# Allegro board STANDARD.brd (continued)
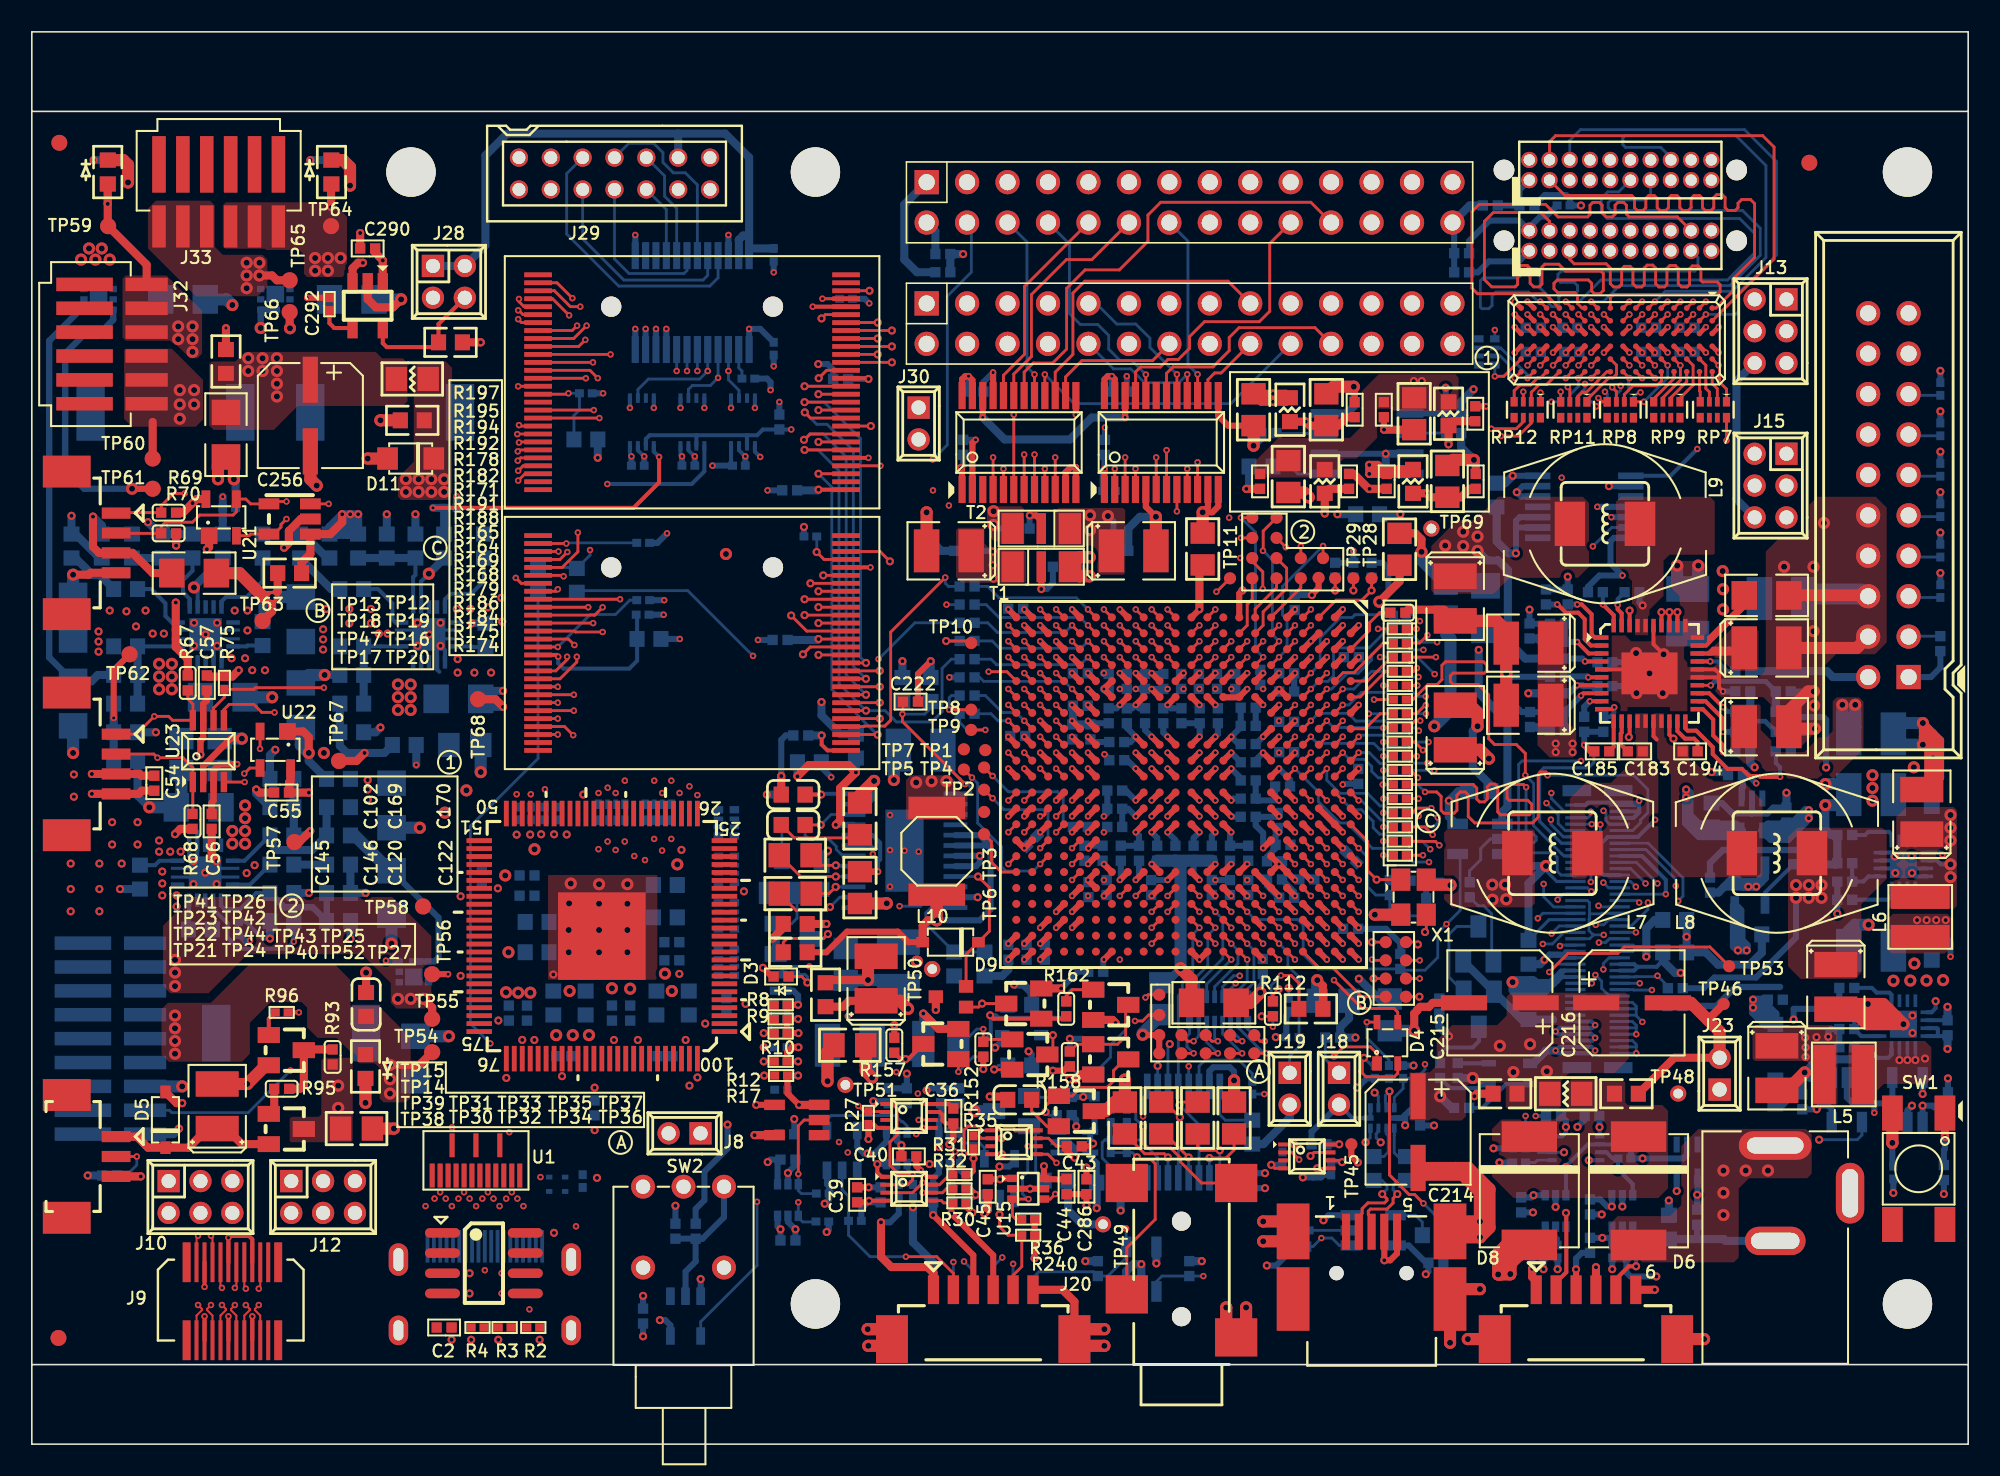
[diagram p0: board, top side]
## Footprints (pads in the part's own frame, mm; a bottom-side part is the same pattern mirrored in y, then rotated) (continued)
CAP-FK-V-CASEE_PAN
  rect 0.95x2.9 smd: 1(0,-2.25) 2(0,2.25)
CAP_0201
  rect 0.559x0.508 smd: 1(-0.401,0) 2(0.401,0)
CAP_0402
  rect 0.65x0.65 smd: 1(-0.47,0) 2(0.47,0)
CAP_0603
  rect 0.95x1 smd: 1(-0.75,0) 2(0.75,0)
CAP_0805
  rect 1.346x1.524 smd: 1(-1,0) 2(1,0)
CAP_1206
  rect 1.6x1.8 smd: 1(-1.4,0) 2(1.4,0)
CAP_1210
  rect 1.6x2.7 smd: 1(-1.4,0) 2(1.4,0)
CON_10X2
  rect 1.524x1.524 hole 1.016: 1(-2.54,0)
  round 1.524 hole 1.016: 2(0,0) 3(-2.54,-2.54) 4(0,-2.54) 5(-2.54,-5.08) 6(0,-5.08) 7(-2.54,-7.62) 8(0,-7.62) 9(-2.54,-10.16) 10(0,-10.16) 11(-2.54,-12.7) 12(0,-12.7) 13(-2.54,-15.24) 14(0,-15.24) 15(-2.54,-17.78) 16(0,-17.78) 17(-2.54,-20.32) 18(0,-20.32) 19(-2.54,-22.86) 20(0,-22.86)
CONN_2X10
  rect 0.5x2.5 smd: (-9.375,3.9) (-9.375,-1) (-3.625,3.9) (-3.625,-1)
  rect 0.25x2.5 smd: 1(-8.75,-1) 2(-8.75,3.9) 3(-8.25,-1) 4(-8.25,3.9) 5(-7.75,-1) 6(-7.75,3.9) 7(-7.25,-1) 8(-7.25,3.9) 9(-6.75,-1) 10(-6.75,3.9) 11(-6.25,-1) 12(-6.25,3.9) 13(-5.75,-1) 14(-5.75,3.9) 15(-5.25,-1) 16(-5.25,3.9) 17(-4.75,-1) 18(-4.75,3.9) 19(-4.25,-1) 20(-4.25,3.9)
CONN_2X14
  rect 1.524x1.524 hole 1.016: 1(0,0)
  round 1.524 hole 1.016: 2(-2.54,0) 3(0,-2.54) 4(-2.54,-2.54) 5(0,-5.08) 6(-2.54,-5.08) 7(0,-7.62) 8(-2.54,-7.62) 9(0,-10.16) 10(-2.54,-10.16) 11(0,-12.7) 12(-2.54,-12.7) 13(0,-15.24) 14(-2.54,-15.24) 15(0,-17.78) 16(-2.54,-17.78) 17(0,-20.32) 18(-2.54,-20.32) 19(0,-22.86) 20(-2.54,-22.86) 21(0,-25.4) 22(-2.54,-25.4) 23(0,-27.94) 24(-2.54,-27.94) 25(0,-30.48) 26(-2.54,-30.48) 27(0,-33.02) 28(-2.54,-33.02)
CONN_2X20
  round 1.3 hole 1.3 unplated: (-1.59,0.635) (13.02,0.635)
  round 1.016 hole 0.711: 1(0,0) 2(0,1.27) 3(1.27,0) 4(1.27,1.27) 5(2.54,0) 6(2.54,1.27) 7(3.81,0) 8(3.81,1.27) 9(5.08,0) 10(5.08,1.27) 11(6.35,0) 12(6.35,1.27) 13(7.62,0) 14(7.62,1.27) 15(8.89,0) 16(8.89,1.27) 17(10.16,0) 18(10.16,1.27) 19(11.43,0) 20(11.43,1.27)
CONN_3
  rect 2x3 smd: (-5.735,0.9) (1.975,0.9)
  rect 0.7x1.8 smd: 1(-3.125,4) 2(-1.875,4) 3(-0.625,4)
CONN_4
  rect 2x3 smd: (-5.735,0.9) (3.225,0.9)
  rect 0.7x1.8 smd: 1(-3.125,4) 2(-1.875,4) 3(-0.625,4) 4(0.625,4)
CONN_5_USB_MINI_B
  round 0.9 hole 0.9 unplated: (-2.2,2.62) (2.2,2.62)
  rect 2.057x3.988 smd: (4.925,4.249) 7(-4.925,4.249)
  rect 0.508x2.261 smd: 1(1.6,0.02) 2(0.8,0.02) 3(0,0.02) 4(-0.8,0.02) 5(-1.6,0.02)
  rect 2.057x3.505 smd: 6(-4.925,0) 8(4.925,0)
CONN_6
  rect 0.7x1.8 smd: 1(-3.125,4) 2(-1.875,4) 3(-0.625,4) 4(0.625,4) 5(1.875,4) 6(3.125,4)
  rect 2x3 smd: 7(-5.735,0.9) 8(5.725,0.9)
CONN_PWRJACK
  oval 1.778x4.572 hole 1.016x3.556: 1(0,0)
  oval 1.778x3.81 hole 1.016x3.048: 2(5.994,0)
  oval 3.81x1.778 hole 3.048x1.016: 3(2.997,4.699)
D_0402
  rect 0.65x0.65 smd: 1(-0.47,0) 2(0.47,0)
D_0603
  rect 0.95x1 smd: 1(-0.75,0) 2(0.75,0)
DBV
  rect 1.3x0.65 smd: (-1.4,0.95) 2(-1.4,0) 3(-1.4,-0.95) 4(1.4,-0.95) 5(1.4,0.95)
DCK
  rect 0.46x0.66 smd: 1(-0.65,-0.991) 2(0,-0.991) 3(0.65,-0.991) 4(0.65,0.991) 5(0,0.991) 6(-0.65,0.991)
DCU
  rect 0.6x0.25 smd: 1(-1.5,0.75) 2(-1.5,0.25) 3(-1.5,-0.25) 4(-1.5,-0.75) 5(1.5,-0.75) 6(1.5,-0.25) 7(1.5,0.25) 8(1.5,0.75)
DO-214AB_SMC
  rect 1.92x3.48 smd: 1(-3.405,0) 2(3.405,0)
DO-219AB
  rect 1.3x1.4 smd: 1(-1.45,0) 2(1.45,0)
DT1608A
  rect 1.4x3.56 smd: 1(-2.73,0) 2(2.73,0)
FILTER_1210
  rect 1.4x1.94 smd: 1(-1.8,0) 3(1.8,0)
  rect 0.6x1.94 smd: 2(0,0)
FLTR_0603
  rect 0.95x1 smd: 1(-0.75,0) 2(0.75,0)
FLTR_0805
  rect 1.346x1.524 smd: 1(-1,0) 2(1,0)
HDMI19
  rect 0.24x2.05 smd: 1(-7.2,0) 2(-6.8,0) 3(-6.4,0) 4(-6,0) 5(-5.6,0) 6(-5.2,0) 7(-4.8,0) 8(-4.4,0) 9(-4,0) 10(-3.6,0) 11(-3.2,0) 12(-2.8,0) 13(-2.4,0) 14(-2,0) 15(-1.6,0) 16(-1.2,0) 17(-0.8,0) 18(-0.4,0) 19(0,0)
  oval 1.22x2.04 hole 0.62x1.44: 20(-9.025,0.83) 21(1.825,0.83)
  oval 1.22x1.86 hole 0.62x1.26: 22(-9.025,5.28) 23(1.825,5.28)
HDR_1X6_MOLEX
  rect 3.55x0.85 smd: (-3.9,3.75) (-3.9,2.25) (-3.9,0.75) (-3.9,-0.75) (-3.9,-2.25) (-3.9,-3.75)
  rect 2.65x0.85 smd: 1(0,3.75) 2(0,2.25) 3(0,0.75) 4(0,-0.75) 5(0,-2.25) 6(0,-3.75)
HDR_1X9_MOLEX
  rect 3.55x0.85 smd: (-3.9,-6) (-3.9,-4.5) (-3.9,-3) (-3.9,-1.5) (-3.9,0) (-3.9,1.5) (-3.9,3) (-3.9,4.5) (-3.9,6)
  rect 2.65x0.85 smd: 1(0,6) 2(0,4.5) 3(0,3) 4(0,1.5) 5(0,0) 6(0,-1.5) 7(0,-3) 8(0,-4.5) 9(0,-6)
L0402
  rect 0.65x0.65 smd: 1(-0.47,0) 2(0.47,0)
MSS1048
  rect 3.56x1.78 smd: 1(0,4.7) 2(0,-4.7)
NKK-B12AH
  round 1.5 hole 0.9: (-2.54,-2.54) (2.54,-2.54) 1(-2.54,2.54) 2(0,2.54) 3(2.54,2.54)
PH_TG-2573
  round 1.2 hole 1.2 unplated: (3.683,-0.92) (3.683,-6.92)
  rect 2.65x2.4 smd: 1(0.25,0.38) 2(0.25,-9.32) 3(7.116,-2.32) 10(7.116,-9.32)
PW
  rect 1.7x0.45 smd: 1(-2.95,3.575) 2(-2.95,2.925) 3(-2.95,2.275) 4(-2.95,1.625) 5(-2.95,0.975) 6(-2.95,0.325) 7(-2.95,-0.325) 8(-2.95,-0.975) 9(-2.95,-1.625) 10(-2.95,-2.275) 11(-2.95,-2.925) 12(-2.95,-3.575) 13(2.95,-3.575) 14(2.95,-2.925) 15(2.95,-2.275) 16(2.95,-1.625) 17(2.95,-0.975) 18(2.95,-0.325) 19(2.95,0.325) 20(2.95,0.975) 21(2.95,1.625) 22(2.95,2.275) 23(2.95,2.925) 24(2.95,3.575)
PZP_100
  rect 1.6x0.3 smd: 1(-7.7,6) 2(-7.7,5.5) 3(-7.7,5) 4(-7.7,4.5) 5(-7.7,4) 6(-7.7,3.5) 7(-7.7,3) 8(-7.7,2.5) 9(-7.7,2) 10(-7.7,1.5) 11(-7.7,1) 12(-7.7,0.5) 13(-7.7,0) 14(-7.7,-0.5) 15(-7.7,-1) 16(-7.7,-1.5) 17(-7.7,-2) 18(-7.7,-2.5) 19(-7.7,-3) 20(-7.7,-3.5) 21(-7.7,-4) 22(-7.7,-4.5) 23(-7.7,-5) 24(-7.7,-5.5) 25(-7.7,-6) 51(7.7,-6) 52(7.7,-5.5) 53(7.7,-5) 54(7.7,-4.5) 55(7.7,-4) 56(7.7,-3.5) 57(7.7,-3) 58(7.7,-2.5) 59(7.7,-2) 60(7.7,-1.5) 61(7.7,-1) 62(7.7,-0.5) 63(7.7,0) 64(7.7,0.5) 65(7.7,1) 66(7.7,1.5) 67(7.7,2) 68(7.7,2.5) 69(7.7,3) 70(7.7,3.5) 71(7.7,4) 72(7.7,4.5) 73(7.7,5) 74(7.7,5.5) 75(7.7,6)
  rect 0.3x1.6 smd: 26(-6,-7.7) 27(-5.5,-7.7) 28(-5,-7.7) 29(-4.5,-7.7) 30(-4,-7.7) 31(-3.5,-7.7) 32(-3,-7.7) 33(-2.5,-7.7) 34(-2,-7.7) 35(-1.5,-7.7) 36(-1,-7.7) 37(-0.5,-7.7) 38(0,-7.7) 39(0.5,-7.7) 40(1,-7.7) 41(1.5,-7.7) 42(2,-7.7) 43(2.5,-7.7) 44(3,-7.7) 45(3.5,-7.7) 46(4,-7.7) 47(4.5,-7.7) 48(5,-7.7) 49(5.5,-7.7) 50(6,-7.7) 76(6,7.7) 77(5.5,7.7) 78(5,7.7) 79(4.5,7.7) 80(4,7.7) 81(3.5,7.7) 82(3,7.7) 83(2.5,7.7) 84(2,7.7) 85(1.5,7.7) 86(1,7.7) 87(0.5,7.7) 88(0,7.7) 89(-0.5,7.7) 90(-1,7.7) 91(-1.5,7.7) 92(-2,7.7) 93(-2.5,7.7) 94(-3,7.7) 95(-3.5,7.7) 96(-4,7.7) 97(-4.5,7.7) 98(-5,7.7) 99(-5.5,7.7) 100(-6,7.7)
  rect 5.5x5.5 smd: 101(0,0)
QFN_40
  rect 0.85x0.28 smd: 1(-3,2.25) 2(-3,1.75) 3(-3,1.25) 4(-3,0.75) 5(-3,0.25) 6(-3,-0.25) 7(-3,-0.75) 8(-3,-1.25) 9(-3,-1.75) 10(-3,-2.25) 21(3,-2.25) 22(3,-1.75) 23(3,-1.25) 24(3,-0.75) 25(3,-0.25) 26(3,0.25) 27(3,0.75) 28(3,1.25) 29(3,1.75) 30(3,2.25)
  rect 0.28x0.85 smd: 11(-2.25,-3) 12(-1.75,-3) 13(-1.25,-3) 14(-0.75,-3) 15(-0.25,-3) 16(0.25,-3) 17(0.75,-3) 18(1.25,-3) 19(1.75,-3) 20(2.25,-3) 31(2.25,3) 32(1.75,3) 33(1.25,3) 34(0.75,3) 35(0.25,3) 36(-0.25,3) 37(-0.75,3) 38(-1.25,3) 39(-1.75,3) 40(-2.25,3)
  rect 3.52x2.62 smd: 41(0,0)
RES_0201
  rect 0.559x0.508 smd: 1(-0.401,0) 2(0.401,0)
RES_0402
  rect 0.65x0.65 smd: 1(-0.47,0) 2(0.47,0)
RES_0603
  rect 0.95x1 smd: 1(-0.75,0) 2(0.75,0)
RES_1206
  rect 1.6x1.8 smd: 1(-1.4,0) 2(1.4,0)
RGT
  rect 0.8x0.23 smd: 1(-1.475,0.75) 2(-1.475,0.25) 3(-1.475,-0.25) 4(-1.475,-0.75) 9(1.475,-0.75) 10(1.475,-0.25) 11(1.475,0.25) 12(1.475,0.75)
  rect 0.23x0.8 smd: 5(-0.75,-1.475) 6(-0.25,-1.475) 7(0.25,-1.475) 8(0.75,-1.475) 13(0.75,1.475) 14(0.25,1.475) 15(-0.25,1.475) 16(-0.75,1.475)
  rect 1.7x1.7 smd: 17(0,0)
RGY
  rect 0.85x0.28 smd: 1(-1.725,-0.75) 7(1.725,-0.75) 8(1.725,0.75) 14(-1.725,0.75)
  rect 0.28x0.85 smd: 2(-1,-1.725) 3(-0.5,-1.725) 4(0,-1.725) 5(0.5,-1.725) 6(1,-1.725) 9(1,1.725) 10(0.5,1.725) 11(0,1.725) 12(-0.5,1.725) 13(-1,1.725)
  custom 4.3x2.05 smd: 15(0,0)
RPACK_16
  rect 0.45x0.8 smd: 1(0,0) 8(3.65,0) 9(3.65,1.6) 16(0,1.6)
  rect 0.3x0.8 smd: 2(0.575,0) 3(1.075,0) 4(1.575,0) 5(2.075,0) 6(2.575,0) 7(3.075,0) 10(3.075,1.6) 11(2.575,1.6) 12(2.075,1.6) 13(1.575,1.6) 14(1.075,1.6) 15(0.575,1.6)
RSE
  rect 0.3x0.575 smd: 1(-0.75,-0.637) 4(0.75,-0.637) 6(0.75,0.638) 9(-0.75,0.638)
  rect 0.25x0.575 smd: 2(-0.25,-0.637) 3(0.25,-0.637) 7(0.25,0.638) 8(-0.25,0.638)
  rect 0.63x0.35 smd: 5(0.86,0) 10(-0.86,0)
SC-90_SOD-323F
  rect 0.9x0.65 smd: 1(-1.225,0) 2(1.225,0)
SOD-923
  rect 0.3x0.4 smd: 1(-0.45,0) 2(0.45,0)
SOD_123
  rect 0.8x0.65 smd: 1(-1.75,0) 2(1.75,0)
SOIC16-PW_TI
  rect 1.6x0.42 smd: 1(-2.875,2.275) 2(-2.875,1.625) 3(-2.875,0.975) 4(-2.875,0.325) 5(-2.875,-0.325) 6(-2.875,-0.975) 7(-2.875,-1.625) 8(-2.875,-2.275) 9(2.875,-2.275) 10(2.875,-1.625) 11(2.875,-0.975) 12(2.875,-0.325) 13(2.875,0.325) 14(2.875,0.975) 15(2.875,1.625) 16(2.875,2.275)
SOIC24-PWP_TI
  rect 1.5x0.3 smd: 1(-3.2,3.575) 2(-3.2,2.925) 3(-3.2,2.275) 4(-3.2,1.625) 5(-3.2,0.975) 6(-3.2,0.325) 7(-3.2,-0.325) 8(-3.2,-0.975) 9(-3.2,-1.625) 10(-3.2,-2.275) 11(-3.2,-2.925) 12(-3.2,-3.575) 13(3.2,-3.575) 14(3.2,-2.925) 15(3.2,-2.275) 16(3.2,-1.625) 17(3.2,-0.975) 18(3.2,-0.325) 19(3.2,0.325) 20(3.2,0.975) 21(3.2,1.625) 22(3.2,2.275) 23(3.2,2.925) 24(3.2,3.575)
  rect 2.4x5.16 smd: 25(0,0)
SOP8
  oval 0.6x2.2 smd: 1(-1.905,-2.6) 2(-0.635,-2.6) 3(0.635,-2.6) 4(1.905,-2.6) 5(1.905,2.6) 6(0.635,2.6) 7(-0.635,2.6) 8(-1.905,2.6)
SOP_4
  rect 1.05x1.05 smd: 1(-1.15,0.76)
  rect 1.1x0.55 smd: 2(-1.15,-0.96) 3(1.15,-0.96) 4(1.15,0.96)
SOT23-3_FC
  rect 1x1.4 smd: 1(0.95,-1.1) 2(-0.95,-1.1) 3(0,1.1)
SOT23-5
  rect 0.69x1.3 smd: 1(-0.95,-1.3) 2(0,-1.3) 3(0.95,-1.3) 4(0.95,1.3) 5(-0.95,1.3)
SOT23-DBV_TI
  rect 1.3x0.65 smd: 1(-1.4,0.95) 2(-1.4,0) 3(-1.4,-0.95) 4(1.4,-0.95) 5(1.4,0.95)
SOT23AVXD
  rect 1x1.4 smd: 1(0.95,-1.1) 2(-0.95,-1.1) 3(0,1.1)
SOT323
  rect 0.8x0.9 smd: 1(-0.65,-0.95) 2(0,0.95) 3(0.65,-0.95)
SOT323AVX
  rect 1x1.4 smd: 1(-0.95,-1.1) 2(0.95,-1.1) 3(0,1.1)
SPT23AVXD
  rect 1x1.4 smd: 1(-0.95,-1.1) 2(0,1.1) 3(0.95,-1.1)
SRR1005
  rect 1.92x2.79 smd: 1(-2.2,0) 2(2.2,0)
SW_GT12
  rect 2.2x1.3 smd: (3.5,1.65) (3.5,-1.65) 1(-3.5,1.65) 3(-3.5,-1.65)
TI_DBV
  rect 1.1x0.55 smd: 1(-1.25,0.95) 2(-1.25,0) 3(-1.25,-0.95) 4(1.25,-0.95) 5(1.25,0.95)
TI_DCK
  rect 1x0.38 smd: 1(-1,0.65) 2(-1,0) 3(-1,-0.65) 4(1,-0.65) 5(1,0.65)
TI_DVB
  rect 1.3x0.65 smd: 1(-1.4,0.95) 2(-1.4,0) 3(-1.4,-0.95) 4(1.4,-0.95) 5(1.4,0.95)
TP
  round 0.762 smd: 1(0,0)
TP40
  round 1.016 smd: 1(0,0)
TP40_24
  round 1.016 hole 0.61: 1(0,0)
TPD8S009
  rect 0.32x1.5 smd: 1(-2.75,-0.95) 2(-2.25,-0.95) 3(-1.75,-0.95) 4(-1.25,-0.95) 5(-0.75,-0.95) 6(-0.25,-0.95) 7(0.25,-0.95) 8(0.75,-0.95) 9(1.25,-0.95) 10(1.75,-0.95) 11(2.25,-0.95) 12(2.75,-0.95) 13(1.5,0.95) 14(0,0.95) 15(-1.5,0.95)
TSOP-56
  round 1.27 hole 1.27: (-5.08,4.75) (5.08,4.75)
  rect 1.74x0.3 smd: 1(-9.67,6.75) 2(-9.67,6.25) 3(-9.67,5.75) 4(-9.67,5.25) 5(-9.67,4.75) 6(-9.67,4.25) 7(-9.67,3.75) 8(-9.67,3.25) 9(-9.67,2.75) 10(-9.67,2.25) 11(-9.67,1.75) 12(-9.67,1.25) 13(-9.67,0.75) 14(-9.67,0.25) 15(-9.67,-0.25) 16(-9.67,-0.75) 17(-9.67,-1.25) 18(-9.67,-1.75) 19(-9.67,-2.25) 20(-9.67,-2.75) 21(-9.67,-3.25) 22(-9.67,-3.75) 23(-9.67,-4.25) 24(-9.67,-4.75) 25(-9.67,-5.25) 26(-9.67,-5.75) 27(-9.67,-6.25) 28(-9.67,-6.75) 29(9.67,-6.75) 30(9.67,-6.25) 31(9.67,-5.75) 32(9.67,-5.25) 33(9.67,-4.75) 34(9.67,-4.25) 35(9.67,-3.75) 36(9.67,-3.25) 37(9.67,-2.75) 38(9.67,-2.25) 39(9.67,-1.75) 40(9.67,-1.25) 41(9.67,-0.75) 42(9.67,-0.25) 43(9.67,0.25) 44(9.67,0.75) 45(9.67,1.25) 46(9.67,1.75) 47(9.67,2.25) 48(9.67,2.75) 49(9.67,3.25) 50(9.67,3.75) 51(9.67,4.25) 52(9.67,4.75) 53(9.67,5.25) 54(9.67,5.75) 55(9.67,6.25) 56(9.67,6.75)
TXS0102_DCT
  rect 1.275x0.4 smd: 1(-1.94,0.975) 2(-1.94,0.325) 3(-1.94,-0.325) 4(-1.94,-0.975) 5(1.94,-0.975) 6(1.94,-0.325) 7(1.94,0.325) 8(1.94,0.975)
U_6_SON
  rect 0.4x0.46 smd: 1(-0.65,-0.92) 2(0,-0.92) 3(0.65,-0.92) 4(0.65,0.92) 5(0,0.92) 6(-0.65,0.92)
  rect 1.05x1.1 smd: D(-0.325,0)
  rect 0.4x0.85 smd: S(0.65,0.125)
unnamed
  round 1 smd: (0,0)
unnamed#2
  round 3.099 hole 3.099 unplated: (3.81,74.93) (29.21,74.93) (29.21,3.81) (97.79,74.93) (97.79,3.81)
XFL4020
  rect 3.7x1.45 smd: 1(0,1.225) 2(0,-1.225)

## Nets
AVCC_3V3: C7.1 C8.1 C297.1 L1.2 U3.82(AVCC_0) U3.84(AVCC_1) U3.88(AVCC_2) U3.95(AVCC_3)
GND: C1.2 C2.2 C3.2 C4.2 C5.2 C6.2 C7.2 C8.2 C9.2 C10.2 C11.2 C12.2 C13.2 C14.2 C15.2 C16.2 C17.2 C18.2 C19.2 C20.2 C21.2 C22.2 C23.2 C24.1 C25.1 C26.1 C27.1 C28.1 C29.1 C30.1 C31.1 C32.2 C33.2 C34.2 C35.2 C36.2 C37.2 C38.2 C39.2 C40.2 C41.2 C42.2 C43.2 C44.2 C45.2 C46.2 C47.2 C48.2 C49.2 C50.2 C51.2 C52.1 C53.1 C54.1 C55.1 C56.2 C57.2 C58.1 C59.2 C61.2 C63.2 C64.1 C65.2 C66.1 C67.1 C68.2 C69.1 C70.2 C71.1 C72.1 C73.1 C74.1 C75.1 C76.1 C77.1 C78.2 C79.1 C80.2 C81.2 C82.1 C83.2 C84.2 C85.2 C86.2 C87.2 C88.2 C89.2 C90.2 C91.2 C92.2 C93.2 C94.2 C95.2 C96.2 C97.2 C98.2 C99.2 C100.2 C101.2 C102.1 C103.2 C104.2 C105.2 C106.2 C107.2 C108.2 C109.2 C110.2 C111.2 C112.2 C113.2 C114.2 C115.2 C116.2 C117.2 C118.2 C119.2 C120.2 C121.2 C122.1 C123.2 C124.2 C125.2 C126.2 C127.2 C128.2 C129.2 C130.2 C131.2 C132.2 C133.2 C134.2 C135.2 C136.2 C137.2 C138.2 C139.2 C140.2 C141.2 C142.2 C143.2 C144.2 C145.2 C146.2 C147.2 C148.2 C149.2 C150.2 C151.2 C152.2 C153.2 C154.2 C155.2 C156.2 C157.2 C158.2 C159.2 C160.2 C161.2 C162.2 C163.2 C164.2 C165.2 C166.2 C167.2 C168.2 C169.2 C170.2 C171.2 C172.2 C173.2 C174.2 C175.2 C176.2 C177.2 C178.2 C179.2 C180.2 C181.2 C182.2 C184.1 C185.2 C186.2 C187.2 C188.1 C189.1 C190.1 C191.2 C192.1 C193.1 C195.2 C196.2 C197.1 C198.1 C199.1 C200.1 C201.2 C203.2 C204.1 C205.2 C206.1 C207.1 C208.1 C209.1 C210.2 C211.1 C212.1 C213.1 C214.2 C215.2 C216.2 C217.2 C218.2 C219.1 C221.1 C223.1 C224.1 C225.1 C228.1 C230.1 C231.2 C232.2 C233.1 C234.1 C235.2 C236.1 C237.2 C238.2 C239.1 C240.2 C241.1 C242.1 C243.1 C244.1 C245.1 C246.2 C247.2 C248.2 C249.2 C250.2 C251.1 C252.1 C253.1 C254.1 C255.1 C256.2 C258.1 C259.2 C260.1 C261.1 C262.1 C263.1 C264.1 C265.1 C267.1 C268.2 C269.1 C270.1 C271.1 C272.1 C273.1 C274.1 C276.1 C277.2 C278.1 C279.1 C280.1 C281.1 C282.1 C283.1 C284.1 C285.1 C286.2 C287.1 C288.2 C289.1 C290.2 C291.1 C292.2 C293.2 C294.2 C295.2 C296.2 C297.2 C298.2 C299.2 C300.2 D1.2(ANODE) D2.2(ANODE) D3.2(CATHODE) D5.1(ANODE) D7.1(CATHODE1) D8.2(ANODE) D10.2(ANODE) D11.1(ANODE) DN1.2(K2) J1.19(P19) J1.20(P20) J3.27 J3.28 J4.19(P19) J4.20(P20) J6.7 J6.8 J7.1(DAT2S) J7.4(DAT1S) J7.7(DAT0S) J7.10(CLK_S) J7.13(CEC/DDC_GND) J7.17(UTIL) J7.20(MTG1) J7.21(MTG2) J7.22(MTG3) J7.23(MTG4) J8.1 J9.3(P3) J9.4(P4) J9.9(P9) J9.10(P10) J9.15(P15) J9.16(P16) J11.3 J11.6 J11.7 J11.8 J14.3 J14.6 J14.7 J14.8 J16.4 J17.4 J18.2 J20.1(C) J21.4 J21.5 J21.6 J21.7 J21.8 J22.3 J23.2 J24.4 J24.6 J24.8 J24.10 J24.12 J24.14 J24.16 J24.18 J24.20 J25.6 J25.7 J25.8 J26.2 J26.3 J27.M12 J27.M20 J27.M26 J27.M32 J27.M38 J27.M39 J27.M40 J27.P1 J27.P2 J27.P3 J27.P4 J27.P5 J27.P6 J27.P7 J27.P8 J27.P9 J27.P10 J27.P11 J27.P22 J27.P28 J27.P34 J27.P40 J29.12(P12) J29.13(P13) J29.14(P14) J30.1 J31.1 Q2.1(EMITTER) Q3.1(EMITTER) Q4.1(EMITTER) Q6.2(BASE) Q7.3(S) Q9.3(COLLECTOR) Q10.3(COLLECTOR) Q11.1(EMITTER) Q13.1(EMITTER) Q14.1(EMITTER) Q15.1(EMITTER) R13.2 R14.2 R17.1 R19.1 R20.1 R21.1 R22.1 R25.2 R27.2 R29.2 R31.2 R32.2 R34.2 R35.2 R36.2 R38.2 R40.2 R42.2 R43.2 R44.2 R45.2 R46.2 R47.2 R56.2 R57.2 R74.2 R75.2 R86.2 R87.2 R92.2 R100.1 R110.1 R111.1 R113.1 R114.2 R116.1 R119.1 R122.1 R124.1 R125.2 R127.1 R129.1 R130.1 R139.2 R142.2 R145.1 R149.1 R156.1 R197.1 R200.1(N1) R201.1(N1) R204.1(N1) R210.1(N1) R211.1(N1) R212.1(N1) R215.1(N1) R221.1(N1) R222.1(N1) R223.1(N1) R226.1(N1) R232.1(N1) R235.1 R237.2 R238.2 R239.2 R240.2 SW2.2(COMMON1) T1.2(GND) T2.2(GND) TP38.1 TP39.1 TP46.1 TP52.1 TP58.1(P1) TP63.1(P1) TP68.1(P1) U1.2(GND_2) U1.5(GND_5) U1.8(GND_8) U1.11(GND_11) U2.1(A0) U2.2(A1) U2.3(A2) U2.4(GND) U3.5(GND_0) U3.19(OGND_0) U3.28(OGND_1) U3.39(GND_1) U3.45(OGND_2) U3.58(OGND_3) U3.68(GND_2) U3.76(OGND_4) U3.79(AGND_0) U3.83(AGND_1) U3.87(AGND_2) U3.89(AGND_3) U3.92(AGND_4) U3.98(PGND) U3.101(THPAD) U4.2(GND) U4.5(DIR) U5.3(GND) U6.A3(1DIR) U6.B3(1GND3) U6.B4(1GND1) U6.D3(1GND4) U6.D4(1GND2) U6.E3(2GND3) U6.E4(2GND1) U6.G3(2GND4) U6.G4(2GND2) U6.H3(2DIR) U6.J3(3DIR) U6.K3(3GND3) U6.K4(3GND1) U6.M3(3GND4) U6.M4(3GND2) U6.N3(4GND3) U6.N4(4GND1) U6.R1(4B6) U6.R2(4B5) U6.R3(4GND4) U6.R4(4GND2) U6.T1(4B7) U6.T2(4B8) U6.T3(4DIR) U7.A2(GND_A2) U7.A7(GND_A7) U7.A13(GND_A13) U7.A21(GND_A21) U7.A22(GND_A22) U7.AA1(GND_AA1) U7.AA2(GND_AA2) U7.AA9(GND_AA9) U7.AA11(GND_AA11) U7.AA13(GND_AA13) U7.AA21(GND_AA21) U7.AB11(GND_AB11) U7.AB13(GND_AB13) U7.AB22(GND_AB22) U7.B1(GND_B1) U7.B2(GND_B2) U7.B3(GND_B3) U7.B4(GND_B4) U7.B13(GND_B13) U7.B14(VSS_PLLD) U7.B15(VSS_PLLM) U7.B20(GND_B20) U7.B21(GND_B21) U7.B22(GND_B22) U7.C2(GND_C2) U7.C3(GND_C3) U7.C4(GND_C4) U7.C13(VAS_PLLD) U7.C14(VAS_PLLM) U7.C19(GND_C19) U7.C20(GND_C20) U7.C21(GND_C21) U7.C22(GND_C22) U7.D3(GND_D3) U7.D4(GND_D4) U7.D17(VPGM) U7.D19(GND_D19) U7.D20(GND_D20) U7.E4(GND_E4) U7.E5(GND_E5) U7.E18(GND_E18) U7.E19(GND_E19) U7.F9(GND_F9) U7.F11(GND_F11) U7.F14(GND_F14) U7.H1(GND_H1) U7.J9(GND_J9) U7.J10(GND_J10) U7.J11(GND_J11) U7.J12(GND_J12) U7.J13(GND_J13) U7.J14(GND_J14) U7.K9(GND_K9) U7.K10(GND_K10) U7.K11(GND_K11) U7.K12(GND_K12) U7.K13(GND_K13) U7.K14(GND_K14) U7.K22(GND_K22) U7.L9(GND_L9) U7.L10(GND_L10) U7.L11(GND_L11) U7.L12(GND_L12) U7.L13(GND_L13) U7.L14(GND_L14) U7.L22(GND_L22) U7.M9(GND_M9) U7.M10(GND_M10) U7.M11(GND_M11) U7.M12(GND_M12) U7.M13(GND_M13) U7.M14(GND_M14) U7.M17(GND_M17) U7.N6(GND_N6) U7.N9(GND_N9) U7.N10(GND_N10) U7.N11(GND_N11) U7.N12(GND_N12) U7.N13(GND_N13) U7.N14(GND_N14) U7.P9(GND_P9) U7.P10(GND_P10) U7.P11(GND_P11) U7.P12(GND_P12) U7.P13(GND_P13) U7.P14(GND_P14) U7.R1(GND_R1) U7.U8(GND_U8) U7.U15(GND_U15) U7.V4(GND_V4) U7.V5(GND_V5) U7.V7(HW_TEST_EN) U7.V8(GND_V8) U7.V14(GND_V14) U7.V18(GND_V18) U7.V19(GND_V19) U7.V20(GND_V20) U7.W3(GND_W3) U7.W4(GND_W4) U7.W10(GND_W10) U7.W12(GND_W12) U7.W19(GND_W19) U7.W20(GND_W20) U7.Y2(GND_Y2) U7.Y3(GND_Y3) U7.Y8(GND_Y8) U7.Y10(GND_Y10) U7.Y12(GND_Y12) U7.Y14(GND_Y14) U7.Y20(GND_Y20) U7.Y21(GND_Y21) U8.2(DIR) U8.11(GND1) U8.12(GND2) U8.13(GND3) U8.21(B1) U9.5(A3) U9.11(GND1) U9.12(GND2) U9.13(GND3) U10.4(GND) U10.7(G) U11.2(GND) U12.4(GND) U13.2(GND) U14.4(GND) U14.7(G) U15.2(GND) U15.5(DIR) U16.2(GND) U17.2(GND) U18.4(GND) U19.33(VSS#33) U19.52(VSS#52) U20.33(VSS#33) U20.52(VSS#52) U21.1(GND) U22.1(GND) U23.2(GND) U24.15(GND) U25.4(GND) U25.7(G) U26.3(GND) U27.5(GND) U27.6(OEZ) U28.6(AGND) U28.7(FSW) U28.8(DEF) U28.15(PGND1) U28.16(PGND) U28.17(TH PAD) U29.6(AGND) U29.7(FSW) U29.8(DEF) U29.15(PGND1) U29.16(PGND) U29.17(TH PAD) U30.2(I) U30.3(GND) U31.1(CT) U31.2(GND) U32.1(O\E\) U32.3(GND) U33.5(SYNC) U33.25(LOW_P) U33.26(GND_26) U33.30(AGND) U33.31(GND_31) U33.35(GND_35) U33.41(POWERPAD) U34.2(GND) U35.4(GND) U36.3(GND) U37.7(GND) U37.9(2A) U37.10(2B) U37.12(2C) U37.13(2D) U38.7(PGND#7) U38.8(PGND#8) U38.11(GND#11) U38.19(GND#19) U38.23(ENR) U38.25(POWERPAD) U39.2(GND) U40.1(A) U40.4(GND) U40.7(G) U41.1(A) U41.4(GND) U41.7(G) U42.9(A7) U42.10(A8) U42.11(GND1) U42.12(GND2) U42.13(GND3) U42.22(O\E\) U43.1(A) U43.4(GND) U43.7(G) U44.2(VSS) U45.2(GND#2) U45.3(GND#3) U45.15(TH PAD) U46.2(GND#2) U46.3(GND#3) U46.15(TH PAD) U47.2(GND#2) U47.3(GND#3) U47.15(TH PAD) U48.2(GND) U49.2(GND) U50.2(GND) U51.3(GND) U52.3(GND) U55.3(GND) X1.2 X1.4
P5V: C204.2 C221.2 L9.2 L10.1 R126.2 R141.1 R151.1 R157.1 R158.1 U28.13(EN) U29.13(EN) U38.4(VIN)
P12V_CONN: C253.2 D6.2(ANODE) D11.2(CATHODE) D12.2(CATHODE) D13.2(CATHODE) D14.2(CATHODE) FB7.1 J26.1
P12V_LD: C254.2 C255.2 C256.1 C258.2 C259.1 C267.2 C268.1 C276.2 C277.1 FB7.2 J29.1(P1) J29.2(P2) J29.3(P3) U45.4(PVIN#4) U45.5(PVIN#5) U45.6(VIN) U46.4(PVIN#4) U46.5(PVIN#5) U46.6(VIN) U47.4(PVIN#4) U47.5(PVIN#5) U47.6(VIN)
P12V_SUPPLY: C66.2 C68.1 C70.1 C72.2 C74.2 C179.1 C180.1 C181.1 C182.1 C191.1 C193.2 C201.1 C213.2 C214.1 C215.1 C216.1 FB5.2 Q1.3(COLLECTOR) R93.2 R132.1 R133.1 R134.1 TP45.1 U28.10(AVIN) U28.11(PVIN1) U28.12(PVIN) U29.10(AVIN) U29.11(PVIN1) U29.12(PVIN) U33.13(VIN1) U33.18(VIN2) U33.32(VIN_32) U33.33(VIN_33) U33.34(VIN_34) U33.38(VIN3) U35.2(\\R\E\S\I\N) U35.7(SENSE) U35.8(VCC)
P12VS: C212.2 D6.1(CATHODE) D8.1(CATHODE) FB5.1
VBUS: R88.2 U26.2(I)
VCC: C240.1 C241.2 FB6.2 J27.M1 J27.M2 J27.M3 J27.M4 J27.M5 J27.M6 J27.M7 J27.M8 J27.M9 J27.M23 J27.M29 J27.M35 J27.P19 J27.P25 J27.P31 J27.P37
VDD_AUX2: C22.1 J4.1(P1)
A1P8V_PLLD: C146.1 FB3.2 U7.D13(PLLD_VAD)
A1P8V_PLLM: C170.1 FB4.2 U7.D14(PLLM_VAD)
A2: RP7.1 U6.A5(1A1)
A3: RP7.2 U6.A6(1A2)
A4: RP7.3 U6.B5(1A3)
A5: RP7.4 U6.B6(1A4)
A6: RP9.1 U6.C5(1A5)
A7: RP9.2 U6.C6(1A6)
A8: RP9.3 U6.D5(1A7)
A9: RP9.4 U6.D6(1A8)
B2: RP8.1 U6.E5(2A1)
B3: RP8.2 U6.E6(2A2)
B4: RP8.3 U6.F5(2A3)
B5: RP8.4 U6.F6(2A4)
B6: RP10.1 U6.G5(2A5)
B7: RP10.2 U6.G6(2A6)
B8: RP10.3 U6.H6(2A7)
B9: RP10.4 U6.H5(2A8)
BLU_ANODE: C278.2 D14.1(ANODE) J33.1 J33.2 J33.3 L13.2 R223.2(N2) TP64.1(P1)
BLU_CATHODE: J33.4 J33.5 J33.6 Q18.1(D3) Q18.2(D2) Q18.5(D5) Q18.6(D6) Q18.D(D_BOTTOM) TP65.1(P1)
BLU_LED_EN: R227.2(N2) R238.1 U43.5(Y)
BLU_LED_EN_CON: J29.7(P7) U42.19(B3)
BLU_LED_PWM_CON: J29.10(P10) U42.16(B6)
BYTE: R49.2 U19.53(NC_53)
BYTE_2: R52.2 U20.53(NC_53)
C2: RP11.1 U6.J5(3A1)
C3: RP11.2 U6.J6(3A2)
C4: RP11.3 U6.K5(3A3)
C5: RP11.4 U6.K6(3A4)
C6: RP14.1 U6.L5(3A5)
C7: RP14.2 U6.L6(3A6)
C8: RP14.3 U6.M5(3A7)
C9: RP14.4 U6.M6(3A8)
D_BUS: R196.2 U7.D5(DMD_DRC_BUS)
D_D00: R191.2 U7.A8(DMD_D00)
D_D01: R190.2 U7.B8(DMD_D01)
D_D02: R188.2 U7.C8(DMD_D02)
D_D03: R187.2 U7.D8(DMD_D03)
D_D04: R186.2 U7.B11(DMD_D04)
D_D05: R185.2 U7.C11(DMD_D05)
D_D06: R184.2 U7.D11(DMD_D06)
D_D07: R183.2 U7.E11(DMD_D07)
D_D08: R182.2 U7.C7(DMD_D08)
D_D09: R181.2 U7.B10(DMD_D09)
D_D10: R180.2 U7.E7(DMD_D10)
D_D11: R179.2 U7.D10(DMD_D11)
D_D12: R178.2 U7.A6(DMD_D12)
D_D13: R177.2 U7.A12(DMD_D13)
D_D14: R176.2 U7.B12(DMD_D14)
D_D15: R175.2 U7.C12(DMD_D15)
D_D16: R174.2 U7.D12(DMD_D16)
D_D17: R173.2 U7.B7(DMD_D17)
D_D18: R172.2 U7.A10(DMD_D18)
D_D19: R171.2 U7.D7(DMD_D19)
D_D20: R170.2 U7.B6(DMD_D20)
D_D21: R169.2 U7.E9(DMD_D21)
D_D22: R168.2 U7.C10(DMD_D22)
D_D23: R167.2 U7.C6(DMD_D23)
D_DCLK: R166.2 U7.A9(DMD_DCLK)
D_LOADB: R165.2 U7.B9(DMD_LOADB)
D_OEZ: R194.2 U7.B5(DMD_DRC_OEZ)
D_SACBUS: R193.2 U7.D6(DMD_SAC_BUS)
D_SACCLK: R192.2 U7.A5(DMD_SAC_CLK)
D_SCTRL: R164.2 U7.C9(DMD_SCTRL)
D_STRB: R195.2 U7.C5(DMD_DRC_STRB)
D_TRC: R163.2 U7.D9(DMD_TRC)
DAT_N: U7.E3(USB_DAT_N) U27.7(DN)
DAT_P: R89.1 U7.E2(USB_DAT_P) U27.8(DP)
DMD_D00: J27.M28 R191.1
DMD_D01: J27.M27 R190.1
DMD_D02: J27.M25 R188.1
DMD_D03: J27.M24 R187.1
DMD_D04: J27.M31 R186.1
DMD_D05: J27.M30 R185.1
DMD_D06: J27.M33 R184.1
DMD_D07: J27.M34 R183.1
DMD_D08: J27.M22 R182.1
DMD_D09: J27.M36 R181.1
DMD_D10: J27.M21 R180.1
DMD_D11: J27.M37 R179.1
DMD_D12: J27.M19 R178.1
DMD_D13: J27.P39 R177.1
DMD_D14: J27.P38 R176.1
DMD_D15: J27.P36 R175.1
DMD_D16: J27.P35 R174.1
DMD_D17: J27.P23 R173.1
DMD_D18: J27.P33 R172.1
DMD_D19: J27.P32 R171.1
DMD_D20: J27.P18 R170.1
DMD_D21: J27.P30 R169.1
DMD_D22: J27.P29 R168.1
DMD_D23: J27.P20 R167.1
DMD_DAD_BUS: J27.M11 R196.1
DMD_DAD_OEZ: J27.M13 R189.2 R194.1
DMD_DAD_STRB: J27.P12 R195.1
DMD_DCLK: J27.P27 R166.1
DMD_LOADB: J27.P26 R165.1
DMD_PG: TP51.1 U38.10(PG)
DMD_PWR_EN: Q7.1(G) R141.2 R142.1 R150.1 R159.1 R162.1 U7.G20(DMD_PWR_EN) U38.24(EN)
DMD_PWR_EN_INV: Q5.1(G) Q7.2(D) R151.2
DMD_SAC_BUS: J27.M16 R193.1
DMD_SAC_CLK: J27.M10 R192.1
DMD_SCTRL: J27.P24 R164.1
DMD_TEST_SCAN: J27.P15 TP53.1
DMD_TRC: J27.P21 R163.1
DRV_D: C220.1 DN2.3(K1)